# KiCad board multistepper.kicad_pcb (continued)
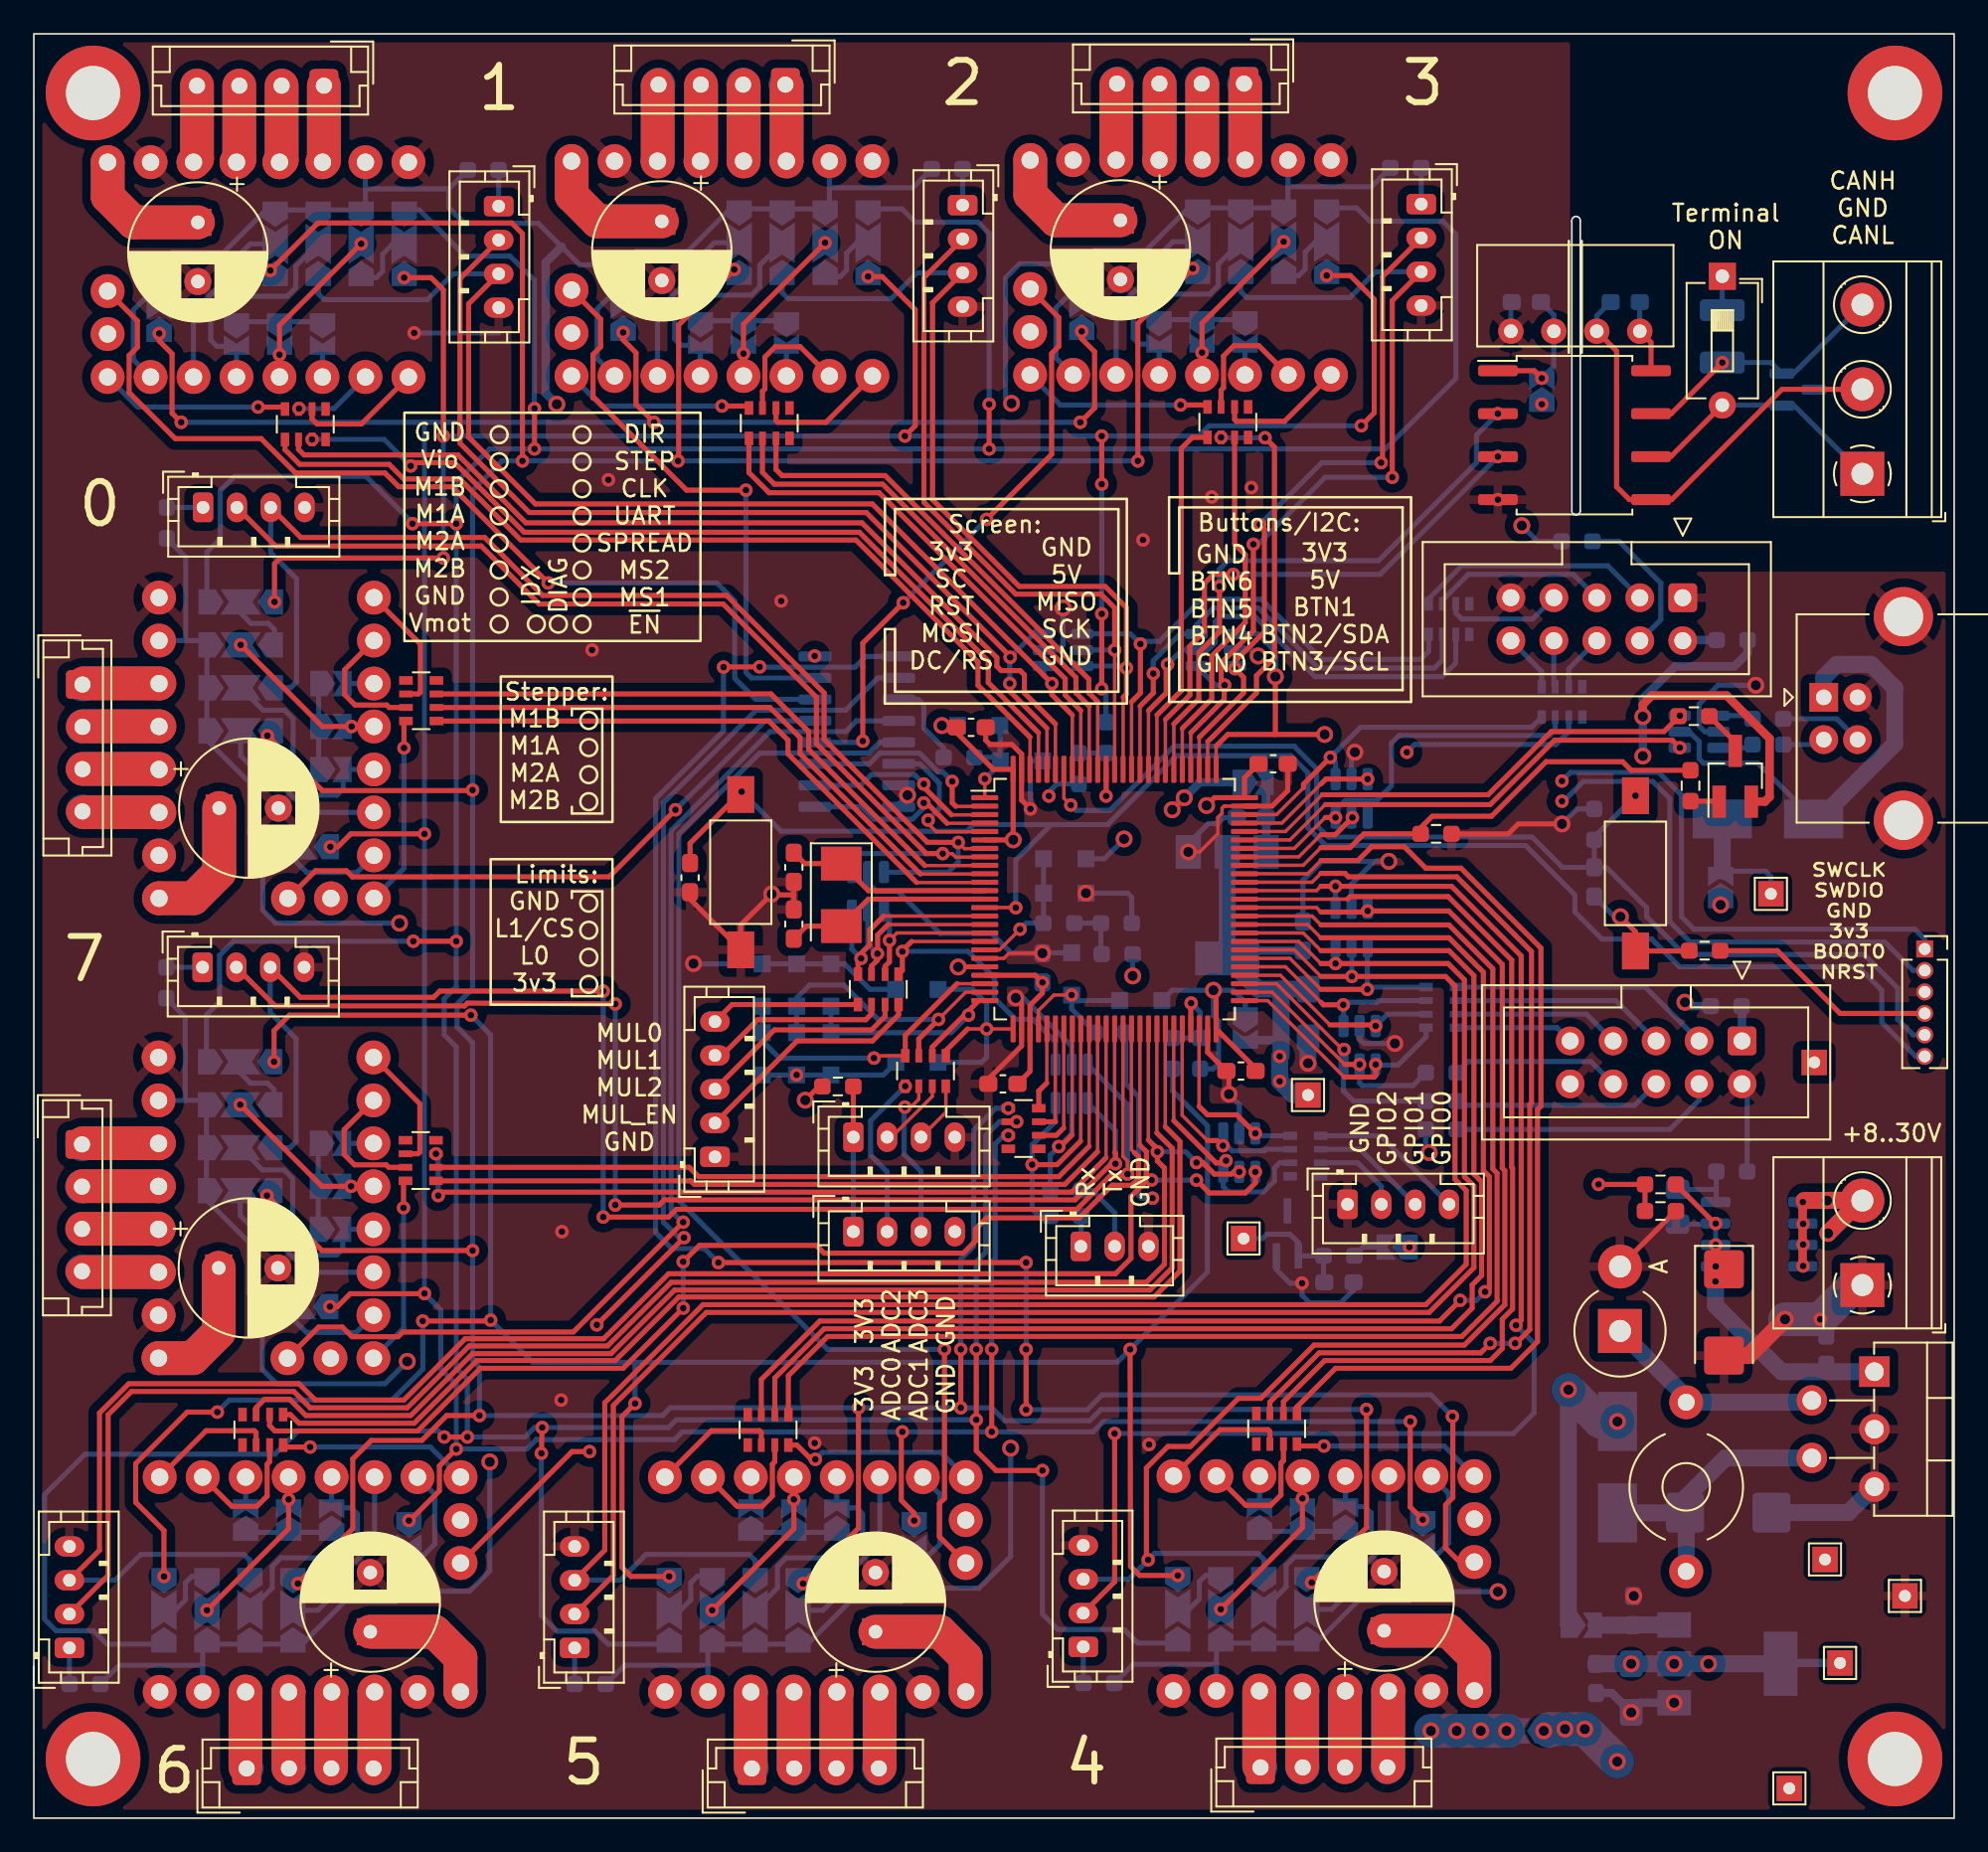
[diagram p0: board, top side]
## Placement (name value [footprint] x y rotation side) (continued)
U5  LM2576-5.0  [TO-220-5_P3.4x3.7mm_StaggerEven_Lead3.8mm_Vertical]  108.79 26.4 270 top
U6  LM1117-3.3  [SOT-223-3_TabPin2]  70.53 53.98 270 bottom
U7  74HC4051  [SOIC-16_3.9x9.9mm_P1.27mm]  48.64 64.24 180 bottom
U8  LM1117-3.3  [SOT-223-3_TabPin2]  100.1 9.13 0 bottom
XX1  -  [stepper_module]  13.75 63.28 180 top
XX2  -  [stepper_module]  13.25 91.56 90 top
XX3  -  [stepper_module]  40.67 91.62 90 top
XX4  -  [stepper_module]  67.78 91.68 90 top
XX5  -  [stepper_module]  76.25 13.88 270 top
XX6  -  [stepper_module]  46.19 13.82 270 top
XX7  -  [stepper_module]  16.33 13.82 270 top
XX8  -  [stepper_module]  13.72 36.09 180 top
Y1  NX5032GA-8MHz  [Crystal_SMD_5032-2Pin_5.0x3.2mm]  47.73 54.59 270 top

## Library data of the parts
C1-C13 C15 C18 C27 C29 = -: ki_fp_filters: C_*
C14 C16 C17 C19-C26 C28 = -: ki_fp_filters: CP_*
D1-D8 = -: Datasheet: http://www.littelfuse.com/~/media/files/littelfuse/technical%20resources/documents/data%20sheets/sp05xxba.pdf; ki_fp_filters: SOT?23*
D9-D23 D25-D27 = -: ki_fp_filters: TO-???* *_Diode_* *SingleDiode* D_*
D24 = -: ki_fp_filters: SOT23
H1-H4 = -: ki_fp_filters: MountingHole*
J1 J4-J7 J11-J27 = -: ki_fp_filters: Connector*:*_1x??_*
J2 J3 = -: ki_fp_filters: Connector*:*_2x??_*
J8 = -: ki_fp_filters: USB*
J9 J10 = -: ki_fp_filters: TerminalBlock*:*
JP1-JP7 = -: ki_fp_filters: SolderJumper*Bridged*
JP8-JP71 = -: ki_fp_filters: SolderJumper*Open*
L1 = -: ki_fp_filters: Choke_* *Coil* Inductor_* L_*
Q1 = -: ki_fp_filters: b0x0xs
R1-R15 R19-R32 R34 R37 R38 = -: ki_fp_filters: R_*
R16-R18 R33 R35 R36 = -: ki_fp_filters: R_* R_*
RN1-RN15 = -: ki_fp_filters: DIP* SOIC* R*Array*Concave* R*Array*Convex*
SW3 = -: ki_fp_filters: SW?DIP?x1*
TP1-TP8 = -: ki_fp_filters: Pin* Test*
U1 = -: Datasheet: http://www.st.com/st-web-ui/static/active/en/resource/technical/document/datasheet/DM00118585.pdf; ki_fp_filters: LQFP*14x14mm*P0.5mm*
U2 = -: Datasheet: http://www.ti.com/lit/ds/symlink/iso1050.pdf; ki_fp_filters: SOP*6.62x9.15mm*P2.54mm*
U3 = -: Datasheet: https://www.st.com/resource/en/datasheet/usblc6-2.pdf; ki_fp_filters: SOT?23*
U4 = -: Datasheet: http://www.ti.com/lit/ds/symlink/lm4040-n.pdf; ki_fp_filters: SOT?23*
U5 = -: Manufacturer: Texas Instruments; ki_fp_filters: *DIP8 SOIC8
U6 U8 = -: Datasheet: http://www.ti.com/lit/ds/symlink/lm1117.pdf; ki_fp_filters: SOT?223* TO?263* TO?252* TO?220*
U7 = -: ki_fp_filters: SO16 TSSOP16 SSOP16 DHVQFN16
Y1 = -: ki_fp_filters: Crystal*

## Footprints (pads in the part's own frame, mm; a bottom-side part is the same pattern mirrored in y, then rotated)
B0x0xS
  round 1.5 hole 0.8: 1(-3.81,0) 2(-1.27,0) 3(1.27,0) 4(3.81,0)
C_0603_1608Metric_Pad1.08x0.95mm_HandSolder
  rrect 1.075x0.95 smd: 1(-0.863,0) 2(0.863,0)
CP_EIA-3216-18_Kemet-A_Pad1.58x1.35mm_HandSolder
  rrect 1.575x1.35 smd: 1(-1.438,0) 2(1.438,0)
CP_EIA-6032-28_Kemet-C_Pad2.25x2.35mm_HandSolder
  rrect 2.25x2.35 smd: 1(-2.55,0) 2(2.55,0)
CP_Radial_D8.0mm_P3.50mm
  rect 1.6x1.6 hole 0.8: 1(0,0)
  round 1.6 hole 0.8: 2(3.5,0)
Crystal_SMD_5032-2Pin_5.0x3.2mm
  rect 2x2.4 smd: 1(-1.85,0) 2(1.85,0)
D_0805_2012Metric_Pad1.15x1.40mm_HandSolder
  rrect 1.15x1.4 smd: 1(-1.025,0) 2(1.025,0)
D_DO-201_P3.81mm_Vertical_AnodeUp
  rect 2.6x2.6 hole 1.3: 1(0,0)
  oval 2.6x2.6 hole 1.3: 2(3.81,0)
D_SMB_Handsoldering
  rect 3.5x2.3 smd: 1(-2.7,0) 2(2.7,0)
D_SOD-323_HandSoldering
  rect 1x1 smd: 1(-1.25,0) 2(1.25,0)
IDC-Header_2x05_P2.54mm_Vertical
  rrect 1.7x1.7 hole 1: 1(0,0)
  round 1.7 hole 1: 2(2.54,0) 3(0,-2.54) 4(2.54,-2.54) 5(0,-5.08) 6(2.54,-5.08) 7(0,-7.62) 8(2.54,-7.62) 9(0,-10.16) 10(2.54,-10.16)
JST_EH_B4B-EH-A_1x04_P2.50mm_Vertical
  rrect 1.7x1.95 hole 0.95: 1(0,0)
  oval 1.7x1.95 hole 0.95: 2(2.5,0) 3(5,0) 4(7.5,0)
JST_PH_B3B-PH-K_1x03_P2.00mm_Vertical
  rrect 1.2x1.75 hole 0.75: 1(0,0)
  oval 1.2x1.75 hole 0.75: 2(2,0) 3(4,0)
JST_PH_B4B-PH-K_1x04_P2.00mm_Vertical
  rrect 1.2x1.75 hole 0.75: 1(0,0)
  oval 1.2x1.75 hole 0.75: 2(2,0) 3(4,0) 4(6,0)
JST_PH_B5B-PH-K_1x05_P2.00mm_Vertical
  rrect 1.2x1.75 hole 0.75: 1(0,0)
  oval 1.2x1.75 hole 0.75: 2(2,0) 3(4,0) 4(6,0) 5(8,0)
L_Toroid_Horizontal_D6.5mm_P10.00mm_Diameter7-5mm_Amidon-T25
  round 2 hole 1: 1(0,0) 2(10,0)
LQFP-100_14x14mm_P0.5mm
  rrect 1.6x0.3 smd: 1(-7.675,6) 2(-7.675,5.5) 3(-7.675,5) 4(-7.675,4.5) 5(-7.675,4) 6(-7.675,3.5) 7(-7.675,3) 8(-7.675,2.5) 9(-7.675,2) 10(-7.675,1.5) 11(-7.675,1) 12(-7.675,0.5) 13(-7.675,0) 14(-7.675,-0.5) 15(-7.675,-1) 16(-7.675,-1.5) 17(-7.675,-2) 18(-7.675,-2.5) 19(-7.675,-3) 20(-7.675,-3.5) 21(-7.675,-4) 22(-7.675,-4.5) 23(-7.675,-5) 24(-7.675,-5.5) 25(-7.675,-6) 51(7.675,-6) 52(7.675,-5.5) 53(7.675,-5) 54(7.675,-4.5) 55(7.675,-4) 56(7.675,-3.5) 57(7.675,-3) 58(7.675,-2.5) 59(7.675,-2) 60(7.675,-1.5) 61(7.675,-1) 62(7.675,-0.5) 63(7.675,0) 64(7.675,0.5) 65(7.675,1) 66(7.675,1.5) 67(7.675,2) 68(7.675,2.5) 69(7.675,3) 70(7.675,3.5) 71(7.675,4) 72(7.675,4.5) 73(7.675,5) 74(7.675,5.5) 75(7.675,6)
  rrect 0.3x1.6 smd: 26(-6,-7.675) 27(-5.5,-7.675) 28(-5,-7.675) 29(-4.5,-7.675) 30(-4,-7.675) 31(-3.5,-7.675) 32(-3,-7.675) 33(-2.5,-7.675) 34(-2,-7.675) 35(-1.5,-7.675) 36(-1,-7.675) 37(-0.5,-7.675) 38(0,-7.675) 39(0.5,-7.675) 40(1,-7.675) 41(1.5,-7.675) 42(2,-7.675) 43(2.5,-7.675) 44(3,-7.675) 45(3.5,-7.675) 46(4,-7.675) 47(4.5,-7.675) 48(5,-7.675) 49(5.5,-7.675) 50(6,-7.675) 76(6,7.675) 77(5.5,7.675) 78(5,7.675) 79(4.5,7.675) 80(4,7.675) 81(3.5,7.675) 82(3,7.675) 83(2.5,7.675) 84(2,7.675) 85(1.5,7.675) 86(1,7.675) 87(0.5,7.675) 88(0,7.675) 89(-0.5,7.675) 90(-1,7.675) 91(-1.5,7.675) 92(-2,7.675) 93(-2.5,7.675) 94(-3,7.675) 95(-3.5,7.675) 96(-4,7.675) 97(-4.5,7.675) 98(-5,7.675) 99(-5.5,7.675) 100(-6,7.675)
MountingHole_3.2mm_M3_DIN965_Pad
  round 5.6 hole 3.2: 1(0,0)
PinSocket_1x06_P1.27mm_Vertical
  rect 1x1 hole 0.7: 1(0,0)
  oval 1x1 hole 0.7: 2(0,-1.27) 3(0,-2.54) 4(0,-3.81) 5(0,-5.08) 6(0,-6.35)
R_0603_1608Metric_Pad0.98x0.95mm_HandSolder
  rrect 0.975x0.95 smd: 1(-0.912,0) 2(0.912,0)
R_1210_3225Metric_Pad1.30x2.65mm_HandSolder
  rrect 1.3x2.65 smd: 1(-1.55,0) 2(1.55,0)
R_Array_Convex_4x0603
  rect 0.8x0.5 smd: 1(-0.9,1.2) 4(-0.9,-1.2) 5(0.9,-1.2) 8(0.9,1.2)
  rect 0.8x0.4 smd: 2(-0.9,0.4) 3(-0.9,-0.4) 6(0.9,-0.4) 7(0.9,0.4)
SO-8_3.9x4.9mm_P1.27mm
  rrect 1.75x0.6 smd: 1(-2.575,1.905) 2(-2.575,0.635) 3(-2.575,-0.635) 4(-2.575,-1.905) 5(2.575,-1.905) 6(2.575,-0.635) 7(2.575,0.635) 8(2.575,1.905)
SOIC-16_3.9x9.9mm_P1.27mm
  rrect 1.95x0.6 smd: 1(-2.475,4.445) 2(-2.475,3.175) 3(-2.475,1.905) 4(-2.475,0.635) 5(-2.475,-0.635) 6(-2.475,-1.905) 7(-2.475,-3.175) 8(-2.475,-4.445) 9(2.475,-4.445) 10(2.475,-3.175) 11(2.475,-1.905) 12(2.475,-0.635) 13(2.475,0.635) 14(2.475,1.905) 15(2.475,3.175) 16(2.475,4.445)
SolderJumper-2_P1.3mm_Open_TrianglePad1.0x1.5mm
  custom 1.5x1.5 smd: 1(-0.725,0)
  custom 1.15x1.5 smd: 2(0.725,0)
SolderJumper-3_P2.0mm_Open_TrianglePad1.0x1.5mm
  rect 1.5x1.5 smd: (-1.2,0) (1.2,0)
  custom 1.5x1.5 smd: 1(-2,0) 3(2,0)
  custom 2.4x1.5 smd: 2(0,0)
SOP-8_6.62x9.15mm_P2.54mm
  rrect 2.35x0.65 smd: 1(-4.525,3.81) 2(-4.525,1.27) 3(-4.525,-1.27) 4(-4.525,-3.81) 5(4.525,-3.81) 6(4.525,-1.27) 7(4.525,1.27) 8(4.525,3.81)
SOT-23
  rrect 1.475x0.6 smd: 1(-0.938,0.95) 2(-0.938,-0.95) 3(0.938,0)
SOT-23-6
  rrect 1.325x0.6 smd: 1(-1.137,0.95) 2(-1.137,0) 3(-1.137,-0.95) 4(1.137,-0.95) 5(1.137,0) 6(1.137,0.95)
SOT-23_Handsoldering
  rect 1.9x0.8 smd: 1(-1.5,0.95) 2(-1.5,-0.95) 3(1.5,0)
SOT-223-3_TabPin2
  rect 2x1.5 smd: 1(-3.15,2.3) 2(-3.15,0) 3(-3.15,-2.3)
  rect 2x3.8 smd: 2(3.15,0)
SOT-323_SC-70_Handsoldering
  rect 1.5x0.45 smd: 1(-1.33,0.65) 2(-1.33,-0.65) 3(1.33,0)
stepper_module
  round 2 hole 1.02: 1(-6.35,8.89) 2(-6.35,6.35) 3(-6.35,3.81) 4(-6.35,1.27) 5(-6.35,-1.27) 6(-6.35,-3.81) 7(-6.35,-6.35) 8(-6.35,-8.89) 9(6.35,-8.89) 10(6.35,-6.35) 11(6.35,-3.81) 12(6.35,-1.27) 13(6.35,1.27) 14(6.35,3.81) 15(6.35,6.35) 16(6.35,8.89) 17(-3.81,8.89) 18(-1.27,8.89)
SW_DIP_SPSTx01_Slide_6.7x4.1mm_W7.62mm_P2.54mm_LowProfile
  rect 1.6x1.6 hole 0.8: 1(0,0)
  oval 1.6x1.6 hole 0.8: 2(7.62,0)
SW_SPST_FSMSM
  rect 2.18x1.6 smd: 1(-4.59,0) 2(4.59,0)
TerminalBlock_Phoenix_MKDS-1,5-2_1x02_P5.00mm_Horizontal
  rect 2.6x2.6 hole 1.3: 1(0,0)
  round 2.6 hole 1.3: 2(5,0)
TerminalBlock_Phoenix_MKDS-1,5-3_1x03_P5.00mm_Horizontal
  rect 2.6x2.6 hole 1.3: 1(0,0)
  round 2.6 hole 1.3: 2(5,0) 3(10,0)
TestPoint_THTPad_1.5x1.5mm_Drill0.7mm
  rect 1.5x1.5 hole 0.7: 1(0,0)
TO-220-5_P3.4x3.7mm_StaggerEven_Lead3.8mm_Vertical
  rect 1.8x1.8 hole 1.1: 1(0,0)
  oval 1.8x1.8 hole 1.1: 2(1.7,-3.7) 3(3.4,0) 4(5.1,-3.7) 5(6.8,0)
USB_B_OST_USB-B1HSxx_Horizontal
  rect 1.7x1.7 hole 0.92: 1(0,0)
  round 1.7 hole 0.92: 2(0,-2.5) 3(2,-2.5) 4(2,0)
  round 3.5 hole 2.33: 5(4.71,4.77) 5(4.71,-7.27)

## Nets
+3.3VADC: C12.1 R9.1 R20.1 TP6.1 U1.21 U4.1
+3V3: C16.1 C18.1 JP3.2 Q3.2 R3.2 R4.2 TP5.1 U6.2
+5V: D27.1 JP1.1 JP2.1 JP4.1 JP5.1 JP7.1 R5.1 R12.2 R34.2 TP7.1
GND: C1.2 C2.2 C4.2 C5.2 C6.2 C7.2 C8.2 C9.2 C10.2 C12.2 C13.2 C14.2 C15.2 C16.2 C17.2 C18.2 C19.2 C20.2 C21.2 C22.2 C23.2 C24.2 C25.2 C26.2 C27.2 C28.2 C29.2 D1.2 D2.2 D3.2 D4.2 D5.2 D6.2 D7.2 D8.2 D16.2 D17.2 D18.2 D19.2 D20.2 D21.2 D23.2 D26.2 J1.3 J2.1 J2.9 J3.2 J3.10 J4.4 J5.4 J6.1 J7.1 J8.4 J8.5 J10.1 J11.4 J13.3 J14.4 J16.4 J18.4 J20.4 J22.4 J24.4 J26.4 Q1.1 R1.2 R11.1 R13.1 R19.2 R35.2 SW1.2 TP3.1 U1.20 U1.27 U1.49 U1.74 U1.99 U2.4 U3.2 U4.2 U5.3 U5.5 U6.1 U7.7 U7.8 U8.1 XX1.9 XX1.15 XX2.9 XX2.15 XX3.9 XX3.15 XX4.9 XX4.15 XX5.9 XX5.15 XX6.9 XX6.15 XX7.9 XX7.15 XX8.9 XX8.15
/CANH: D24.2 J9.3 R18.2 U2.7
/CANL: D24.1 J9.1 SW3.2 U2.6
/MCU base/A0: D9.2 D16.1 RN5.8 U1.23
/MCU base/A1: D10.2 D17.1 RN5.7 U1.24
/MCU base/A2: D11.2 D18.1 RN5.6 U1.25
/MCU base/A3: D12.2 D19.1 RN5.5 U1.26
/MCU base/A4: D13.2 D20.1 R8.1 U1.29
/MCU base/A5: D14.2 D21.1 R7.2 U1.19
/MCU base/BOOT0: C3.1 J1.5 R1.1 SW2.1 U1.94
/MCU base/BTN1: D1.5 RN3.2 U1.68
/MCU base/BTN2_SDA: D1.6 RN3.3 U1.69
/MCU base/BTN3_SCL: D1.1 RN3.4 U1.73
/MCU base/BTN4: D2.5 RN1.6 U1.84
/MCU base/BTN5: D2.6 RN1.7 U1.85
/MCU base/BTN6: D3.4 RN1.8 U1.86
/MCU base/Diagn: D15.2 D23.1 R6.2 U1.1
/MCU base/DPPU: R35.1 R36.1 U1.67
/MCU base/MOT_MUL0: D4.6 RN6.8 U1.15
/MCU base/MOT_MUL1: D4.5 RN6.7 U1.16
/MCU base/MOT_MUL2: D4.4 RN6.6 U1.17
/MCU base/MOT_MUL_EN: D5.1 RN6.5 U1.18
/MCU base/NRST: C2.1 J1.6 SW1.1 U1.14
/MCU base/OSC_IN: C1.1 U1.12 Y1.1
/MCU base/OSC_OUT: C4.1 U1.13 Y1.2
/MCU base/OUT0: D6.3 RN2.8 U1.48
/MCU base/OUT1: D6.1 RN2.7 U1.46
/MCU base/OUT2: D6.6 RN2.6 U1.45
/MCU base/SCRN_CS: D8.4 RN4.4 U1.56
/MCU base/SCRN_DCRS: D7.4 RN4.1 U1.51
/MCU base/SCRN_MISO: D7.6 R15.1 U1.53
/MCU base/SCRN_MOSI: D7.3 RN4.2 U1.54
/MCU base/SCRN_RST: D7.1 RN4.3 U1.55
/MCU base/SCRN_SCK: D7.5 R14.1 U1.52
/MCU base/SWCLK: D2.1 J1.1 U1.76
/MCU base/SWDIO: D1.3 J1.2 U1.72
/MCU base/USART1_RX: D5.6 R24.1 U1.34
/MCU base/USART1_TX: D5.5 R25.1 U1.33
/Motors/DIAG0: U7.13 XX1.18
/Motors/DIAG1: U7.14 XX2.18
/Motors/DIAG2: U7.15 XX3.18
/Motors/DIAG3: U7.12 XX4.18
/Motors/DIAG4: U7.1 XX5.18
/Motors/DIAG5: U7.5 XX6.18
/Motors/DIAG6: U7.2 XX7.18
/Motors/DIAG7: U7.4 XX8.18
/Motors/MISO: JP9.3 JP17.3 JP25.3 JP33.3 JP41.3 JP49.3 JP57.3 JP65.3 RN7.2
/Motors/MOSI: JP10.1 JP18.1 JP26.1 JP34.1 JP42.1 JP50.1 JP58.1 JP66.1 RN7.3
/Motors/SCK: JP11.1 JP19.1 JP27.1 JP35.1 JP43.1 JP51.1 JP59.1 JP67.1 RN7.1
/Motors/stepper_M1/CLK: JP15.2 XX1.6
/Motors/stepper_M1/DIRx: RN8.2 XX1.8
/Motors/stepper_M1/MS1: JP10.2 XX1.2
/Motors/stepper_M1/MS2: JP11.2 XX1.3
/Motors/stepper_M1/SPR: JP12.2 JP13.2 XX1.4
/Motors/stepper_M1/STEPx: RN8.3 XX1.7
/Motors/stepper_M1/U: JP8.2 JP14.2 XX1.5
/Motors/stepper_M1/~{ENx}: RN8.4 XX1.1
/Motors/stepper_M2/CLK: JP23.2 XX2.6
/Motors/stepper_M2/DIRx: RN9.2 XX2.8
/Motors/stepper_M2/MS1: JP18.2 XX2.2
/Motors/stepper_M2/MS2: JP19.2 XX2.3
/Motors/stepper_M2/SPR: JP20.2 JP21.2 XX2.4
/Motors/stepper_M2/STEPx: RN9.3 XX2.7
/Motors/stepper_M2/U: JP16.2 JP22.2 XX2.5
/Motors/stepper_M2/~{ENx}: RN9.4 XX2.1
/Motors/stepper_M3/CLK: JP31.2 XX3.6
/Motors/stepper_M3/DIRx: RN10.2 XX3.8
/Motors/stepper_M3/MS1: JP26.2 XX3.2
/Motors/stepper_M3/MS2: JP27.2 XX3.3
/Motors/stepper_M3/SPR: JP28.2 JP29.2 XX3.4
/Motors/stepper_M3/STEPx: RN10.3 XX3.7
/Motors/stepper_M3/U: JP24.2 JP30.2 XX3.5
/Motors/stepper_M3/~{ENx}: RN10.4 XX3.1
/Motors/stepper_M4/CLK: JP39.2 XX4.6
/Motors/stepper_M4/DIRx: RN11.2 XX4.8
/Motors/stepper_M4/MS1: JP34.2 XX4.2
/Motors/stepper_M4/MS2: JP35.2 XX4.3
/Motors/stepper_M4/SPR: JP36.2 JP37.2 XX4.4
/Motors/stepper_M4/STEPx: RN11.3 XX4.7
/Motors/stepper_M4/U: JP32.2 JP38.2 XX4.5
/Motors/stepper_M4/~{ENx}: RN11.4 XX4.1
/Motors/stepper_M5/CLK: JP47.2 XX5.6
/Motors/stepper_M5/DIRx: RN12.2 XX5.8
/Motors/stepper_M5/MS1: JP42.2 XX5.2
/Motors/stepper_M5/MS2: JP43.2 XX5.3
/Motors/stepper_M5/SPR: JP44.2 JP45.2 XX5.4
/Motors/stepper_M5/STEPx: RN12.3 XX5.7
/Motors/stepper_M5/U: JP40.2 JP46.2 XX5.5
/Motors/stepper_M5/~{ENx}: RN12.4 XX5.1
/Motors/stepper_M6/CLK: JP55.2 XX6.6
/Motors/stepper_M6/DIRx: RN13.2 XX6.8
/Motors/stepper_M6/MS1: JP50.2 XX6.2
/Motors/stepper_M6/MS2: JP51.2 XX6.3
/Motors/stepper_M6/SPR: JP52.2 JP53.2 XX6.4
/Motors/stepper_M6/STEPx: RN13.3 XX6.7
/Motors/stepper_M6/U: JP48.2 JP54.2 XX6.5
/Motors/stepper_M6/~{ENx}: RN13.4 XX6.1
/Motors/stepper_M7/CLK: JP63.2 XX7.6
/Motors/stepper_M7/DIRx: RN14.2 XX7.8
/Motors/stepper_M7/MS1: JP58.2 XX7.2
/Motors/stepper_M7/MS2: JP59.2 XX7.3
/Motors/stepper_M7/SPR: JP60.2 JP61.2 XX7.4
/Motors/stepper_M7/STEPx: RN14.3 XX7.7
/Motors/stepper_M7/U: JP56.2 JP62.2 XX7.5
/Motors/stepper_M7/~{ENx}: RN14.4 XX7.1
/Motors/stepper_M8/CLK: JP71.2 XX8.6
/Motors/stepper_M8/DIRx: RN15.2 XX8.8
/Motors/stepper_M8/MS1: JP66.2 XX8.2
/Motors/stepper_M8/MS2: JP67.2 XX8.3
/Motors/stepper_M8/SPR: JP68.2 JP69.2 XX8.4
/Motors/stepper_M8/STEPx: RN15.3 XX8.7
/Motors/stepper_M8/U: JP64.2 JP70.2 XX8.5
/Motors/stepper_M8/~{ENx}: RN15.4 XX8.1
/Motors/USART0-3: JP9.1 JP17.1 JP25.1 JP33.1 R22.2
/Motors/USART4-7: JP41.1 JP49.1 JP57.1 JP65.1 R21.2
/Motors/Vm: C19.1 C20.1 C21.1 C22.1 C23.1 C24.1 C25.1 C26.1 JP6.2 XX1.16 XX2.16 XX3.16 XX4.16 XX5.16 XX6.16 XX7.16 XX8.16
/VB: D22.2 J8.1 U3.5
ADC0: J4.2 RN5.1
ADC1: J4.3 RN5.2
ADC2: J5.2 RN5.3
ADC3: J5.3 RN5.4
ADC4: R8.2 R10.1 R11.2
ADC5: R7.1 R12.1 R13.2
CAN_RX: U1.81 U2.2
CAN_TX: U1.82 U2.3
DIAGNOST: R6.1 U7.3
Earth: C11.2 D24.3 J9.2 Q1.3 U2.5
M0_DIR: RN8.7 U1.9
M0_EN: RN8.5 U1.11
M0_L0: D4.1 J11.2 U1.8
M0_L1: D4.3 J11.3 JP12.1 U1.7
M0_STEP: RN8.6 U1.10
M1_DIR: RN9.7 U1.97
M1_EN: RN9.5 U1.98
M1_L0: D3.3 J14.2 U1.96
M1_L1: D3.1 J14.3 JP20.1 U1.93
M1_STEP: RN9.6 U1.95
M2_DIR: RN10.7 U1.90
M2_EN: RN10.5 U1.92
M2_L0: D3.5 J16.2 U1.88
M2_L1: D3.6 J16.3 JP28.1 U1.87
M2_STEP: RN10.6 U1.91
M3_DIR: RN11.7 U1.80
M3_EN: RN11.5 U1.83
M3_L0: D2.3 J18.2 U1.78
M3_L1: D2.4 J18.3 JP36.1 U1.79
M3_STEP: RN11.6 U1.77
M4_DIR: RN12.7 U1.65
M4_EN: RN12.5 U1.66
M4_L0: D8.1 J20.2 U1.64
M4_L1: D8.3 J20.3 JP44.1 U1.62
M4_STEP: RN12.6 U1.63
M5_DIR: RN13.7 U1.60
M5_EN: RN13.5 U1.61
M5_L0: D8.6 J22.2 U1.58
M5_L1: D8.5 J22.3 JP52.1 U1.57
M5_STEP: RN13.6 U1.59
M6_DIR: RN14.7 U1.43
M6_EN: RN14.5 U1.44
M6_L0: D6.5 J24.2 U1.42
M6_L1: D6.4 J24.3 JP60.1 U1.41
M6_STEP: RN14.6 U1.40
M7_DIR: RN15.7 U1.37
M7_EN: RN15.5 U1.36
M7_L0: D5.4 J26.2 U1.38
M7_L1: D5.3 J26.3 JP68.1 U1.39
M7_STEP: RN15.6 U1.35
MCU3v3: C3.2 C5.1 C6.1 C7.1 C8.1 C9.1 D9.1 D10.1 D11.1 D12.1 D13.1 D14.1 D15.1 JP3.1 R2.1 R37.2 R38.2 SW2.2 U1.6 U1.22 U1.28 U1.50 U1.75 U1.100
MUL0: U1.2 U7.11
MUL1: U1.3 U7.10
MUL2: U1.4 U7.9
MUL_EN: U1.5 U7.6
TMC_MISO: RN7.7 U1.31
TMC_MOSI: RN7.6 U1.32
TMC_SCK: RN7.8 U1.30
USART2_TX: R22.1 R38.1 U1.89
USART3_TX: R21.1 R37.1 U1.47
USB_DM: U1.70 U3.4
USB_DP: R33.2 U1.71 U3.6
Vdrive: C13.1 C14.1 D25.1 JP6.1 Q2.1 Q2.2 Q2.3 R10.2 TP2.1 U5.1
Vio: C28.1 C29.1 JP8.3 JP10.3 JP11.3 JP12.3 JP16.3 JP18.3 JP19.3 JP20.3 JP24.3 JP26.3 JP27.3 JP28.3 JP32.3 JP34.3 JP35.3 JP36.3 JP40.3 JP42.3 JP43.3 JP44.3 JP48.3 JP50.3 JP51.3 JP52.3 JP56.3 JP58.3 JP59.3 JP60.3 JP64.3 JP66.3 JP67.3 JP68.3 R23.1 R26.1 R27.1 R28.1 R29.1 R30.1 R31.1 R32.1 TP8.1 U7.16 U8.2 XX1.10 XX2.10 XX3.10 XX4.10 XX5.10 XX6.10 XX7.10 XX8.10
Net-(D22-K): D22.1 JP2.2 TP1.1
Net-(D25-A): D25.2 Q2.4 R19.1
Net-(D26-K): D26.1 L1.2 U5.2
Net-(D27-A): C17.1 D27.2 L1.1 TP4.1 U5.4
Net-(J1-Pin_4): J1.4 R2.2
Net-(J2-Pin_2): J2.2 R3.1
Net-(J2-Pin_3): J2.3 RN1.1
Net-(J2-Pin_4): J2.4 R34.1
Net-(J2-Pin_5): J2.5 RN1.2
Net-(J2-Pin_6): J2.6 RN3.7
Net-(J2-Pin_7): J2.7 RN1.3
Net-(J2-Pin_8): J2.8 RN3.6
Net-(J2-Pin_10): J2.10 RN3.5
Net-(J3-Pin_1): J3.1 R4.1
Net-(J3-Pin_3): J3.3 RN4.5
Net-(J3-Pin_4): J3.4 R5.2
Net-(J3-Pin_5): J3.5 RN4.6
Net-(J3-Pin_6): J3.6 R15.2
Net-(J3-Pin_7): J3.7 RN4.7
Net-(J3-Pin_8): J3.8 R14.2
Net-(J3-Pin_9): J3.9 RN4.8
Net-(J4-Pin_1): J4.1 J5.1 R9.2
Net-(J6-Pin_2): J6.2 RN6.4
Net-(J6-Pin_3): J6.3 RN6.3
Net-(J6-Pin_4): J6.4 RN6.2
Net-(J6-Pin_5): J6.5 RN6.1
Net-(J7-Pin_2): J7.2 RN2.3
Net-(J7-Pin_3): J7.3 RN2.2
Net-(J7-Pin_4): J7.4 RN2.1
Net-(J8-D+): J8.3 R17.1
Net-(J8-D-): J8.2 R16.1
Net-(J10-Pin_2): J10.2 Q2.5 Q2.6 Q2.7 Q2.8
Net-(J11-Pin_1): J11.1 R23.2
Net-(J12-Pin_1): J12.1 XX1.11
Net-(J12-Pin_2): J12.2 XX1.12
Net-(J12-Pin_3): J12.3 XX1.13
Net-(J12-Pin_4): J12.4 XX1.14
Net-(J13-Pin_1): J13.1 R24.2
Net-(J13-Pin_2): J13.2 R25.2
Net-(J14-Pin_1): J14.1 R26.2
Net-(J15-Pin_1): J15.1 XX2.11
Net-(J15-Pin_2): J15.2 XX2.12
Net-(J15-Pin_3): J15.3 XX2.13
Net-(J15-Pin_4): J15.4 XX2.14
Net-(J16-Pin_1): J16.1 R27.2
Net-(J17-Pin_1): J17.1 XX3.11
Net-(J17-Pin_2): J17.2 XX3.12
Net-(J17-Pin_3): J17.3 XX3.13
Net-(J17-Pin_4): J17.4 XX3.14
Net-(J18-Pin_1): J18.1 R28.2
Net-(J19-Pin_1): J19.1 XX4.11
Net-(J19-Pin_2): J19.2 XX4.12
Net-(J19-Pin_3): J19.3 XX4.13
Net-(J19-Pin_4): J19.4 XX4.14
Net-(J20-Pin_1): J20.1 R29.2
Net-(J21-Pin_1): J21.1 XX5.11
Net-(J21-Pin_2): J21.2 XX5.12
Net-(J21-Pin_3): J21.3 XX5.13
Net-(J21-Pin_4): J21.4 XX5.14
Net-(J22-Pin_1): J22.1 R30.2
Net-(J23-Pin_1): J23.1 XX6.11
Net-(J23-Pin_2): J23.2 XX6.12
Net-(J23-Pin_3): J23.3 XX6.13
Net-(J23-Pin_4): J23.4 XX6.14
Net-(J24-Pin_1): J24.1 R31.2
Net-(J25-Pin_1): J25.1 XX7.11
Net-(J25-Pin_2): J25.2 XX7.12
Net-(J25-Pin_3): J25.3 XX7.13
Net-(J25-Pin_4): J25.4 XX7.14
Net-(J26-Pin_1): J26.1 R32.2
Net-(J27-Pin_1): J27.1 XX8.11
Net-(J27-Pin_2): J27.2 XX8.12
Net-(J27-Pin_3): J27.3 XX8.13
Net-(J27-Pin_4): J27.4 XX8.14
Net-(JP1-B): C10.1 JP1.2 Q1.2 U2.1
Net-(JP4-B): JP4.2 R20.2
Net-(JP5-B): C15.1 JP5.2 U6.3
Net-(JP7-B): C27.1 JP7.2 U8.3
Net-(JP8-A): JP8.1 JP9.2
Net-(JP13-A): JP13.1 JP14.1 JP15.1
Net-(JP16-A): JP16.1 JP17.2
Net-(JP21-A): JP21.1 JP22.1 JP23.1
Net-(JP24-A): JP24.1 JP25.2
Net-(JP29-A): JP29.1 JP30.1 JP31.1
Net-(JP32-A): JP32.1 JP33.2
Net-(JP37-A): JP37.1 JP38.1 JP39.1
Net-(JP40-A): JP40.1 JP41.2
Net-(JP45-A): JP45.1 JP46.1 JP47.1
Net-(JP48-A): JP48.1 JP49.2
Net-(JP53-A): JP53.1 JP54.1 JP55.1
Net-(JP56-A): JP56.1 JP57.2
Net-(JP61-A): JP61.1 JP62.1 JP63.1
Net-(JP64-A): JP64.1 JP65.2
Net-(JP69-A): JP69.1 JP70.1 JP71.1
Net-(Q1-+Vo): C11.1 Q1.4 U2.8
Net-(Q3-D): Q3.3 R33.1
Net-(Q3-G): Q3.1 R36.2
Net-(R16-Pad2): R16.2 U3.3
Net-(R17-Pad2): R17.2 U3.1
Net-(R18-Pad1): R18.1 SW3.1

Pads without a net: D1 4; H1 1; H2 1; H3 1; H4 1; RN1 4 5; RN2 4 5; RN3 1 8; RN7 4 5; RN8 1 8; RN9 1 8; RN10 1 8; RN11 1 8; RN12 1 8; RN13 1 8; RN14 1 8; RN15 1 8; U4 3; XX1 17; XX2 17; XX3 17; XX4 17; XX5 17; XX6 17; XX7 17; XX8 17

## Via types
v1: diameter 1, hole 0.6, Top to Bottom, 61 vias
v2: diameter 0.8, hole 0.4, Top to Bottom, 248 vias

## Routing (per net, layer and track width the routed paths; a pad name or vN(x,y) marks a point on that pad's centre or on a via; arc(x,y) is an arc through that point)
+3.3VADC: length 58.1
  Top w0.3: v1(54.63,50.32) 54.95,50.34 U1.21 ; v1(45.59,42.45) 46.4,43.26 R9.1 46.61,43.26
  Power.Cu w0.3: 63.75,40.8 66.01,38.54 66.62,38.54 67.49,37.68 67.49,37.27 70.48,34.27 TP6.1 ; 63.75,40.8 56.46,48.09 56.46,49.77 55.9,50.32 v1(54.63,50.32) ; 63.75,40.8 60.68,37.73 47.52,37.73 45.59,39.66 v1(45.59,42.45)
  Bottom w0.3: TP6.1 72.62,34.27 72.87,34.53 74.24,34.53 74.74,34.03 U4.1 76.22,33.25 R20.1 76.23,31.73 C12.1
+3V3: length 96.5
  Top w0.5: Q3.2 102.31,60.1 102.59,60.38 102.59,63.84 100.05,66.38 95.63,66.38 95.1,65.85 v1(95.1,65.13)
  Power.Cu w0.5: v1(97.59,48.24) 96.24,49.59 96.24,50.38
  Power.Cu w1: 73.63,45.05 73.63,43.57 ; v1(95.1,62.8) 96.24,61.66 96.24,50.38 94.56,48.7 89.43,48.7 83.49,42.76 TP5.1 74.45,42.76 v2(73.63,43.57)
  Bottom w0.5: R3.2 101.29,68.89 100.51,68.1 97,68.1 95.1,66.2 v1(95.1,65.13) v1(95.1,62.8) ; 71.6,45.99 73.67,45.99 73.72,46.04 ; R4.2 97.81,48.01 v1(97.59,48.24) ; C18.1 70.99,51.29 U6.2
  Bottom w1: 73.72,49.02 72.35,49.02 U6.2 U6.2 ; 73.72,49.02 73.72,45.13 v2(73.63,45.04) v2(73.63,43.57) ; 73.72,49.02 C16.1 ; 73.63,43.58 74.44,42.77 75.31,42.77
+5V: length 189.4
  Power.Cu w0.3: v1(82.47,39.35) 74.25,39.35 72,41.6 69.91,41.6 64.95,46.57 v1(64.95,49.8) ; TP7.1 103.91,44.69 103.86,44.64
  Power.Cu w0.5: 67.28,60.74 68.4,61.86 67.99,61.45 v1(67.99,60.33) v1(67.28,59.62) 67.28,60.74
  Power.Cu w1: v2(81.3,33.76) 84.81,33.76 86.26,35.21 86.26,38.97 ; 86.26,38.97 82.85,38.97 v1(82.47,39.35) ; 86.26,38.97 96.62,38.97 ; v2(89.13,83.6) 89.13,77.6 v1(87.95,76.42) 85.33,73.81 85.33,66.8
  Power.Cu w2: 68.4,61.86 68.4,62.47 71.67,62.47 76,66.8 98.3,66.8 99.7,65.4 v1(99.7,54) 99.7,52.35 100.13,51.92 102.69,51.92 103.86,50.76 103.86,42.22 102.31,40.67 98.32,40.67 90.7,33.05 v1(90.7,25.33) 92.58,23.45 v1(93.6,23.45)
  Bottom w0.3: v1(82.47,39.35) 82.27,39.55 R5.1 ; v1(87.95,76.42) 88.87,75.5 R34.2 ; R12.2 64.94,49.8 v1(64.95,49.8) ; JP1.1 v2(89.13,83.6)
  Bottom w0.5: v1(67.28,59.62) v1(67.99,60.33) 68.91,61.25 JP5.1
  Bottom w1: JP7.1 90.7,11.45 v1(90.7,25.33)
  Bottom w2: v1(93.6,23.45) 92.58,23.45 v1(90.7,25.33)
GND: length 1199.4
  Top w0.2: v1(59.61,51.14) 57.63,51.14 57.33,50.84 U1.20 ; v1(68.23,57.13) 68.91,57.13 69.98,58.2 69.98,59.16 70.23,59.42 70.23,59.72 70.35,59.84 71.56,59.84
  Top w0.3: C7.2 56.41,43.7 58.38,45.66 U1.27 58.38,48.15 v1(58.04,48.5) ; v2(58.9,59.67) 58.38,60.19 U1.99 58.38,62.91 57.81,63.48 56.51,63.48 56.26,63.74 C9.2 ; R35.2 87.15,58.2 87.73,58.78 v1(90.32,58.78) ; 44.92,54.59 43.66,54.59 v1(43.61,54.64) 41.78,52.81 SW1.2 38.78,54.34 C2.2 ; 44.92,54.59 C1.2 ; 44.92,54.59 C4.2 ; 71.56,59.84 73.19,59.84 74.11,60.76 C5.2 ; v1(70.64,42.81) 70.64,44.03 C6.2 69.38,45.28 U1.49 ; D26.2 97.03,35.9 R11.1
  Top w1: v1(103.5,29.5) 101.36,27.35 C14.2
  Ground.Cu w0.3: 47.65,22.21 46.18,22.21 v2(46.15,22.18) ; 47.65,22.21 48.08,21.78 56.42,21.78 58.88,19.31 62.03,19.31 62.03,17.63 ; 47.65,22.21 47.26,22.59 45.03,22.59 40.26,27.36 38.49,27.36 36.54,29.31 36.54,31.09 34.26,33.36 ; 77.7,60.33 78.94,60.33 80.09,59.19 80.09,58.66 ; 77.7,60.33 71.42,60.33 69.2,58.12 69.2,58.1 v1(68.23,57.13) 65.86,57.13 63.42,54.69 ; 77.7,60.33 77.7,62.64 v1(78.08,63.02) ; 78.75,89.25 74.53,89.25 74.49,89.29 65.91,89.29 C22.2 ; 78.75,89.25 78.75,95.95 XX4.9 76.67,96.1 63.36,96.1 XX4.15 ; 78.75,89.25 80.06,87.93 82,87.93 ; J6.1 38.4,39.1 37.1,40.4 37.1,48.64 v1(38.99,50.53) 43.1,54.64 v1(43.61,54.64) 49.5,48.75 57.78,48.75 v1(58.04,48.5) ; v2(71.96,78.67) 71.95,78.68 71.95,79.44 ; 27.36,87.81 25.53,87.81 24.22,89.12 ; 27.36,87.81 27.47,87.92 J14.4 ; 27.36,87.81 27.47,87.81 ; 16.16,47.06 16.16,33.72 15.21,32.77 ; 16.16,47.06 9.45,47.06 XX8.9 9.3,44.98 9.3,31.67 XX8.15 ; 16.16,47.06 17.47,48.37 17.47,50.31 ; 71.95,79.44 70.55,79.44 70.39,79.6 69.76,79.6 ; 71.95,79.44 77.51,79.44 77.51,79.04 79.55,77 81.7,77 84.3,79.6 84.3,80.19 ; 28.37,50.32 28.36,50.31 17.47,50.31 ; 28.37,50.32 28.37,51.44 28.37,51.45 28.37,69.07 ; 28.37,50.32 28.37,39.25 32.08,35.54 ; 84.3,87.92 82.02,87.92 82,87.93 ; 84.3,87.92 84.3,80.19 ; 84.3,87.92 Q1.1 ; 110.5,66.28 J8.5 ; 110.5,66.28 110.49,66.27 J8.4 ; 110.5,66.28 J8.5 ; 101.77,72.16 109.38,72.16 110.22,71.32 ; 101.77,72.16 J2.1 97.46,72.98 96.6,73.85 88.98,73.85 J2.9 ; 101.77,72.16 101.77,67 v1(101.78,66.99) ; J3.2 98.47,40.93 98.47,39.81 94.41,39.81 J3.10 88.42,45.8 82.98,45.8 ; 55.65,62.57 52.15,62.57 51.64,62.06 v1(51.64,60.48) ; 55.65,62.57 55.65,69.17 58.17,71.69 60.7,71.69 v1(60.83,71.56) ; 55.65,62.57 57.73,62.57 58.9,61.4 v2(58.9,59.67) 59.82,58.76 62.1,58.76 62.1,54.8 63.32,54.8 63.42,54.69 ; 62.03,17.63 65.91,21.51 v2(65.91,22.09) ; 62.03,17.63 63.83,15.82 63.83,11.06 XX5.9 67.36,9.46 76.66,9.46 ; 62.03,17.63 J20.4 ; v1(90.32,58.78) 82.5,58.78 ; 82.5,58.78 80.21,58.78 80.09,58.66 ; 82.5,58.78 82.5,67.36 83.58,68.44 ; C23.2 76.66,11.43 76.66,9.46 ; J4.4 J5.4 54.43,41.95 58.24,45.75 ; 17.5,77.5 27.51,77.5 ; 17.5,77.5 17.5,75.56 16.19,74.25 ; 17.5,77.5 J11.4 ; 27.51,77.5 27.47,77.54 27.47,87.81 ; 27.51,77.5 28.37,77.5 ; 27.47,87.81 27.47,85.26 ; 83.58,68.44 83.31,68.71 v1(72.36,68.71) ; 83.58,68.44 J2.9 ; C19.2 16.19,61.45 16.19,74.25 ; 24.22,89.12 22.46,89.12 ; 24.22,89.12 24.22,95.83 XX2.9 22.14,95.98 8.83,95.98 XX2.15 ; 22.46,89.12 10.99,89.12 10.99,89.56 C20.2 ; 22.46,89.12 22.46,87.83 v2(22.48,87.82) ; 59.35,79.6 63.37,75.57 v2(65.56,75.57) 66.79,76.8 66.79,79.6 69.76,79.6 ; 59.35,79.6 59.73,79.6 59.4,79.6 56.8,82.2 55.2,82.2 54.9,82.5 54.9,87.87 ; 59.35,79.6 40.35,79.6 39.04,78.29 37.84,78.29 ; 63.42,54.69 63.42,45.45 63.4,45.42 ; XX5.15 80.67,9.46 76.66,9.46 ; 35.22,16.25 35.22,9.55 XX6.9 37.3,9.4 50.61,9.4 XX6.15 ; 35.22,16.25 48.7,16.25 48.7,15.57 C24.2 ; 35.22,16.25 33.91,17.57 31.97,17.57 ; 17.47,50.31 J26.4 ; v2(31.16,24.72) 31.23,24.66 31.97,24.66 ; 69.76,79.6 69.76,78.25 v2(69.62,78.11) ; 51.64,89.18 51.64,95.89 XX3.9 49.56,96.04 36.25,96.04 XX3.15 ; 51.64,89.18 52.96,87.87 54.9,87.87 ; 51.64,89.18 38.36,89.18 38.36,89.68 C21.2 ; 82.98,45.8 82.98,53.68 v1(80.09,56.57) 80.09,58.66 ; 82.98,45.8 v1(80.44,45.8) 78.7,45.8 77.85,46.65 76.66,46.65 75.31,45.3 v1(75.31,44.64) ; 54.9,87.87 J16.4 ; 58.24,45.75 58.57,45.42 63.4,45.42 ; 58.24,45.75 58.04,45.96 v1(58.04,48.5) ; 67.66,45.42 67.74,45.35 67.74,33.76 67.7,33.81 J13.3 ; 67.66,45.42 68.43,45.42 70.64,43.21 v1(70.64,42.81) 71.13,42.81 J7.1 74.95,33.61 v2(74.95,31.63) ; 67.66,45.42 63.4,45.42 ; 31.97,17.57 31.97,24.66 ; 31.97,17.57 J22.4 ; 31.97,17.57 30.56,17.57 26.1,13.1 24,13.1 23.26,13.84 22.64,13.84 21.96,14.52 C25.2 18.23,16.18 9.65,16.18 9.57,16.25 5.36,16.25 ; 31.97,24.66 31.97,31.06 34.26,33.36 ; 34.26,33.36 32.08,35.54 ; 82,87.93 J18.4 ; 5.36,16.25 5.36,9.55 XX7.9 7.44,9.4 20.75,9.4 XX7.15 ; 5.36,16.25 5.17,16.07 J24.4 ; J2.9 86.56,72.9 86.56,73.26 86.53,73.29 v2(86.53,77.96) 84.3,80.19 ; 32.08,35.54 v2(31.22,34.68) ; 16.19,74.25 9.48,74.25 XX1.9 9.33,72.17 9.33,58.86 XX1.15 ; 28.37,77.5 28.37,69.07 ; 28.37,77.5 31.04,77.5 32.67,79.13 v2(33.96,79.13) 37.01,79.13 37.84,78.29 ; 28.37,69.07 32.99,69.07 v2(32.99,69.07) ; 58.19,48.65 v1(58.04,48.5) ; 37.84,78.29 v2(44.17,71.97)
  Ground.Cu w0.5: v1(94.41,6.25) 92.63,8.03 92.63,11.21 v1(94.56,13.14) 95.4,13.98 95.4,25.61 96.44,26.65 96.44,31.78 95.61,32.62 D26.2
  Ground.Cu w1: 102.96,30.16 104.32,31.52 J10.1 111.58,28.01 111.58,25.79 U5.3 U5.5 ; 102.96,30.16 102.96,41.42 J3.2 ; 102.96,30.16 102.96,30.04 v1(103.5,29.5) ; J3.10 93.75,40.47 D26.2
  Ground.Cu w2: TP3.1 108.79,14.94 U5.5
  Bottom w0.3: v1(72.36,68.71) 72.01,69.07 D2.2 ; 27.47,87.81 22.48,87.81 v2(22.48,87.82) ; R19.2 101.27,43.11 J3.2 ; Q1.1 87.3,89.59 C10.2 ; v2(58.9,59.67) 58.9,62.44 58.98,62.52 D23.2 ; U7.7 51.11,61.01 v1(51.64,60.48) 51.11,59.96 U7.8 ; D1.2 77.88,62.83 v1(78.08,63.02) ; U4.2 73.44,32.43 74.24,31.63 v2(74.95,31.63) 74.95,30.92 75.41,30.46 77.24,30.46 78,31.22 C12.2 ; D5.2 61.34,45.65 58.49,48.5 v1(58.04,48.5) ; C18.2 75.01,55.46 76.12,56.57 v1(80.09,56.57) 79.22,56.57 77.88,55.23 D8.2 ; D3.2 60.53,69.07 60.83,69.37 v1(60.83,71.56) ; v1(101.78,66.99) 99.54,66.99 98.42,65.87 98.42,64.58 98.76,64.24 U3.2 ; D4.2 49.3,55.3 49.81,54.8 51.08,54.8 53.57,52.31 56.62,52.31 57.79,51.14 v1(59.61,51.14) 59.64,51.17 D20.2 ; C15.2 70.33,59.16 69.98,58.81 69.42,58.81 68.23,57.63 v1(68.23,57.13) ; v1(90.32,58.78) 91.21,59.67 R1.2 ; R13.1 64.89,54.44 64.64,54.69 v1(62.18,54.69) ; v1(70.64,42.81) 71.25,42.2 D6.2 ; D7.2 78.36,46.06 78.61,45.8 v1(80.44,45.8) ; v1(38.99,50.53) 39.01,50.51 D16.2 D17.2 D18.2 47.92,50.51 49.42,49 D19.2
  Bottom w0.5: v1(94.56,13.14) 94.56,13.14 C27.2 ; v1(96.95,6.83) 94.99,6.83 v1(94.41,6.25) 93.26,7.4 C29.2
  Bottom w1: C17.2 107.26,18.07 U5.5 ; C16.2 v1(75.31,44.64)
  Bottom w2: J10.1 107.61,31.52 v2(105.59,29.5) v1(103.5,29.5)
/CANH: length 15.7
  Top w0.3: v2(99.8,86.06) 96.77,83.04 U2.7
  Bottom w0.3: v2(99.8,86.06) 102.68,86.06 D24.2 104,85.41 J9.3
/CANL: length 15.4
  Top w0.3: U2.6 96.75,80.5 SW3.2
  Bottom w0.3: J9.1 104.05,83.51 D24.1 103.29,83.55 SW3.2
/MCU base/A0: length 18.2
  Top w0.2: v2(49.66,44.94) 49.79,45.08 RN5.8 ; 54.56,49.34 U1.23
  Top w0.3: 54.56,49.34 51.5,46.28 RN5.8
  Bottom w0.3: v2(49.66,44.94) 44.07,44.94 43.05,45.96 D9.2 D16.1
/MCU base/A1: length 17.6
  Top w0.2: v2(53.47,47.23) 55.08,48.84 U1.24
  Top w0.3: v2(53.47,47.23) 52.3,46.06 RN5.7
  Bottom w0.3: v2(53.47,47.23) 49.91,47.23 47.88,49.26 45.85,49.26 45.08,48.5 D17.1 D10.2
/MCU base/A2: length 15.8
  Top w0.2: v2(55.24,47.48) 55.24,47.73 55.85,48.34 U1.25
  Top w0.3: RN5.6 53.1,45.59 55.75,48.24
  Bottom w0.3: D18.1 D11.2 54.21,46.44 v2(55.24,47.48)
/MCU base/A3: length 14.2
  Top w0.2: U1.26 v2(56.31,46.66) 55.19,46.66
  Top w0.3: RN5.5 53.9,45.38 55.19,46.66
  Bottom w0.3: D12.2 56.01,44.69 56.31,45 v2(56.31,46.66) 56.31,48.19 55.5,49 D19.1
/MCU base/A4: length 9.2
  Top w0.2: U1.29 59.38,47.76 60.29,48.67 v2(61.34,48.67)
  Bottom w0.3: R8.1 61.34,47.84 v2(61.34,48.67) 61.66,48.34 D13.2
/MCU base/A5: length 7.9
  Top w0.2: U1.19 57.07,51.34 v2(58.29,52.56)
  Bottom w0.3: v2(58.29,52.56) 58.65,52.92 R7.2 59.68,52.93 D21.1 D14.2
/MCU base/BOOT0: length 70.1
  Top w0.2: U1.94 60.88,60.31 v2(61.29,59.9)
  Bottom w0.3: J1.5 111.07,46.31 110.16,47.23 110.16,49.08 108.18,51.06 97.56,51.06 95.33,53.3 95.33,53.83 92.94,56.22 C3.1 ; C3.1 90.35,56.22 88.56,58.01 76.52,58.01 75.82,58.71 75.82,62.06 74.5,63.38 67.39,63.38 63.59,59.58 61.61,59.58 v2(61.29,59.9) ; C3.1 R1.1 92.23,58.01 v2(94.66,60.45)
/MCU base/BTN1: length 24.6
  Top w0.2: 76.07,58.15 74.76,56.84 71.56,56.84
  Top w0.3: v2(77.93,59.16) 76.92,58.15 76.07,58.15
  Power.Cu w0.3: v2(77.93,59.16) 77.93,61.68 79.27,63.02 v2(81.15,63.02)
  Bottom w0.3: RN3.2 90.72,64.24 89.97,63.48 81.61,63.48 v2(81.15,63.02)
/MCU base/BTN2_SDA: length 23.7
  Top w0.2: 76.33,59.16 74.5,57.34 71.56,57.34
  Top w0.3: 76.33,59.16 v2(76.93,59.16)
  Bottom w0.3: v2(76.93,59.16) 76.93,59.58 77.53,60.18 79.37,60.18 80.24,61.04 80.24,63.56 80.69,64.02 89.58,64.02 89.92,64.35 RN3.3
/MCU base/BTN3_SCL: length 21.5
  Top w0.2: 71.56,59.34 73.45,59.34 75.04,60.93
  Top w0.3: 75.04,60.93 75.04,61.13 v2(76.63,62.72)
  Bottom w0.3: 76.93,61.44 76.93,62.42 v2(76.63,62.72) 78.41,64.5 88.52,64.5 RN3.4
/MCU base/BTN4: length 29.1
  Top w0.2: U1.84 65.88,65.48
  Top w0.3: v2(67.01,68.22) 66.93,68.14 66.93,66.53 65.88,65.48
  Bottom w0.3: RN1.6 84.04,68.3 83.23,67.5 75.72,67.5 72.16,71.05 70.13,71.05 69.82,70.75 69.82,69.51 69.39,69.07 D2.5 67.86,69.07 v2(67.01,68.22)
/MCU base/BTN5: length 28.6
  Top w0.2: U1.85 65.38,65.74
  Top w0.3: v2(66.17,67.67) 66.17,66.53 65.38,65.74
  Bottom w0.3: RN1.7 83.24,68.47 82.78,68 75.92,68 72.36,71.56 69.72,71.56 68.72,70.55 D2.6 67.75,70.02 66.17,68.44 v2(66.17,67.67)
/MCU base/BTN6: length 32.1
  Top w0.2: U1.86 64.88,66.01
  Top w0.3: v2(65.4,69.43) 65.4,66.53 64.88,66.01
  Bottom w0.3: D3.4 64.81,70.02 v2(65.4,69.43) 65.56,69.58 66.52,69.58 69.01,72.07 72.57,72.07 76.12,68.51 81.96,68.51 82.44,68.99 RN1.8
/MCU base/Diagn: length 5.8
  Top w0.2: v2(56.21,61.45) 56.2,60.49 U1.1
  Bottom w0.3: R6.2 56.92,62.72 ; 57.12,62.36 v2(56.21,61.45) ; D15.2 57.1,62.54
/MCU base/DPPU: length 29.3
  Top w0.2: 71.56,56.34 75.02,56.34 76.07,57.39
  Top w0.3: 76.07,57.39 77.8,57.39 78.61,58.2 R35.1 81.97,58.56 82.65,59.24 86.16,59.24 89.38,62.47 93.9,62.47 94.41,61.96 R36.1
